# Altium PCB mxiot.PcbDoc (part 1 of 3)
Units mil, origin at the board's own origin, x right, y up, seen from the top; angles counter-clockwise.
Board outline 2300 x 800 mil, 6 copper layers (L1, L2, L3, L4, L5, L6), stack 41.854 mil thick; 97 components, 151 nets, 730 pads, 449 vias.
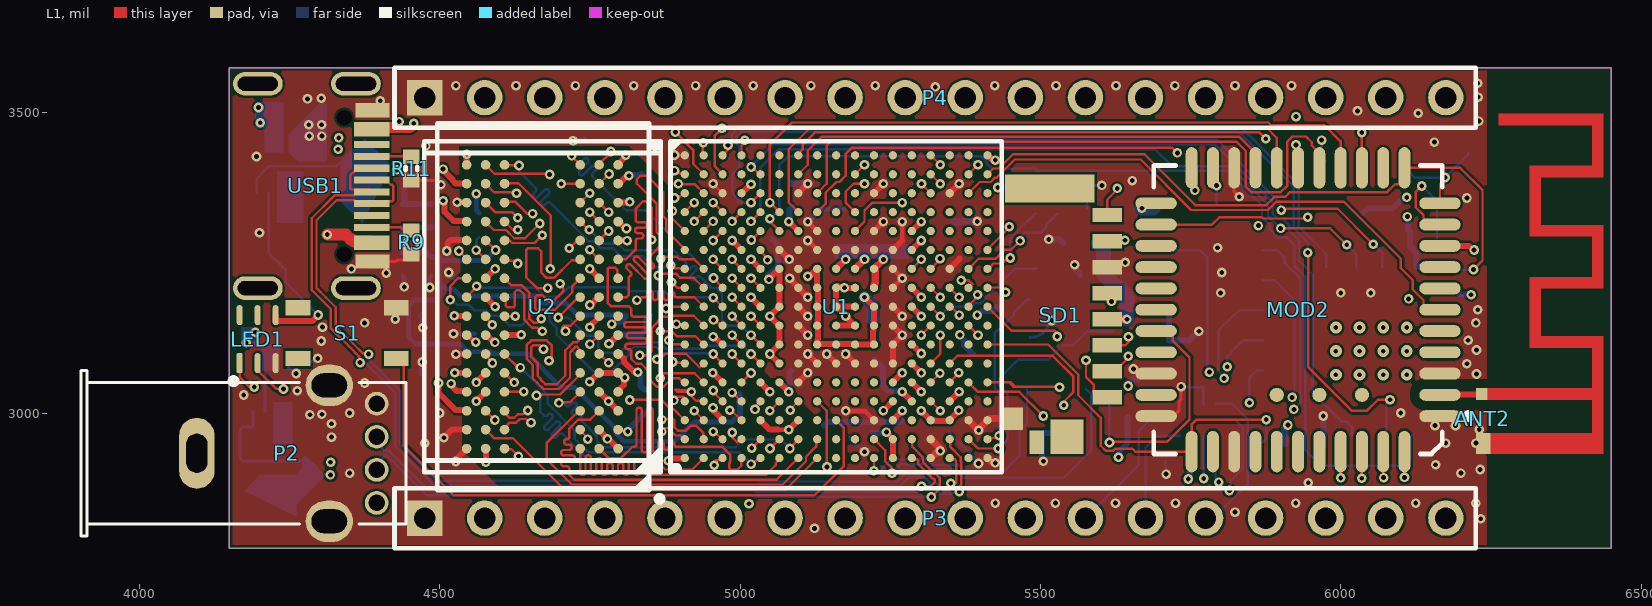
[diagram p0: L1 view]
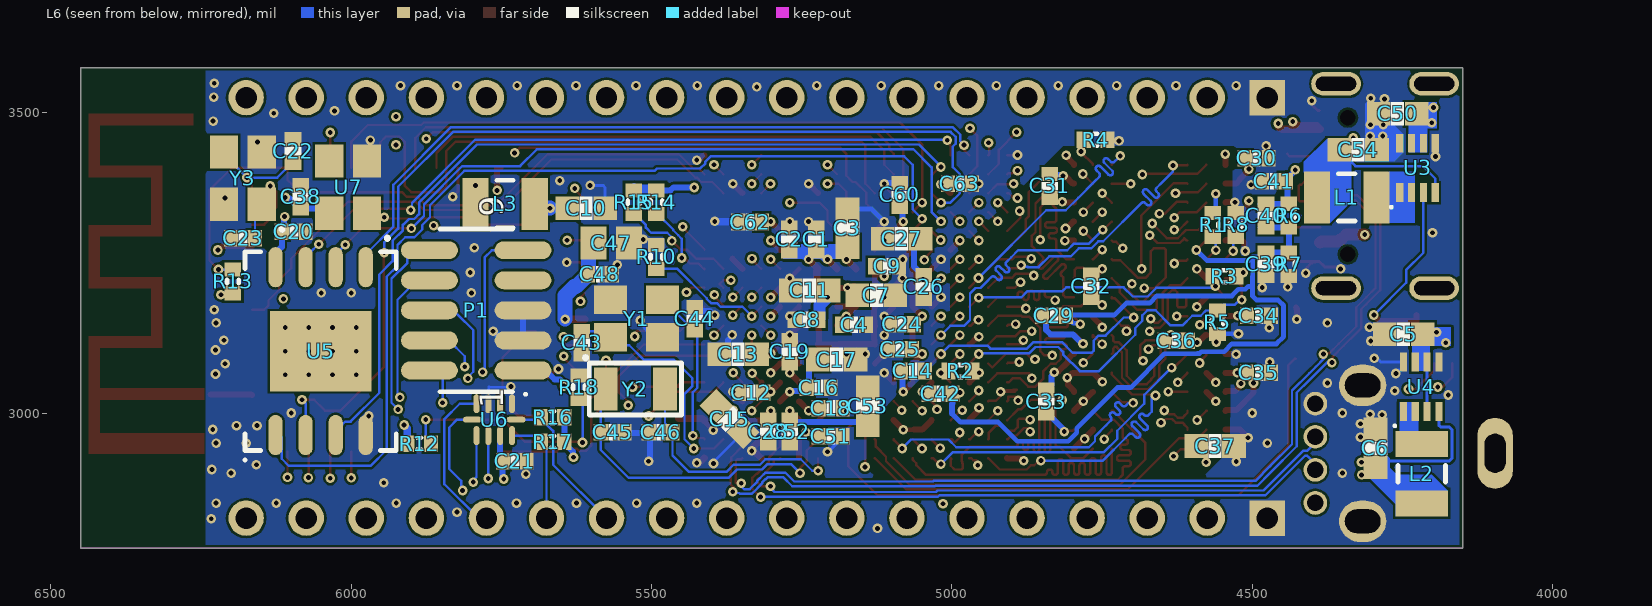
[diagram p1: L6 view, seen from below]
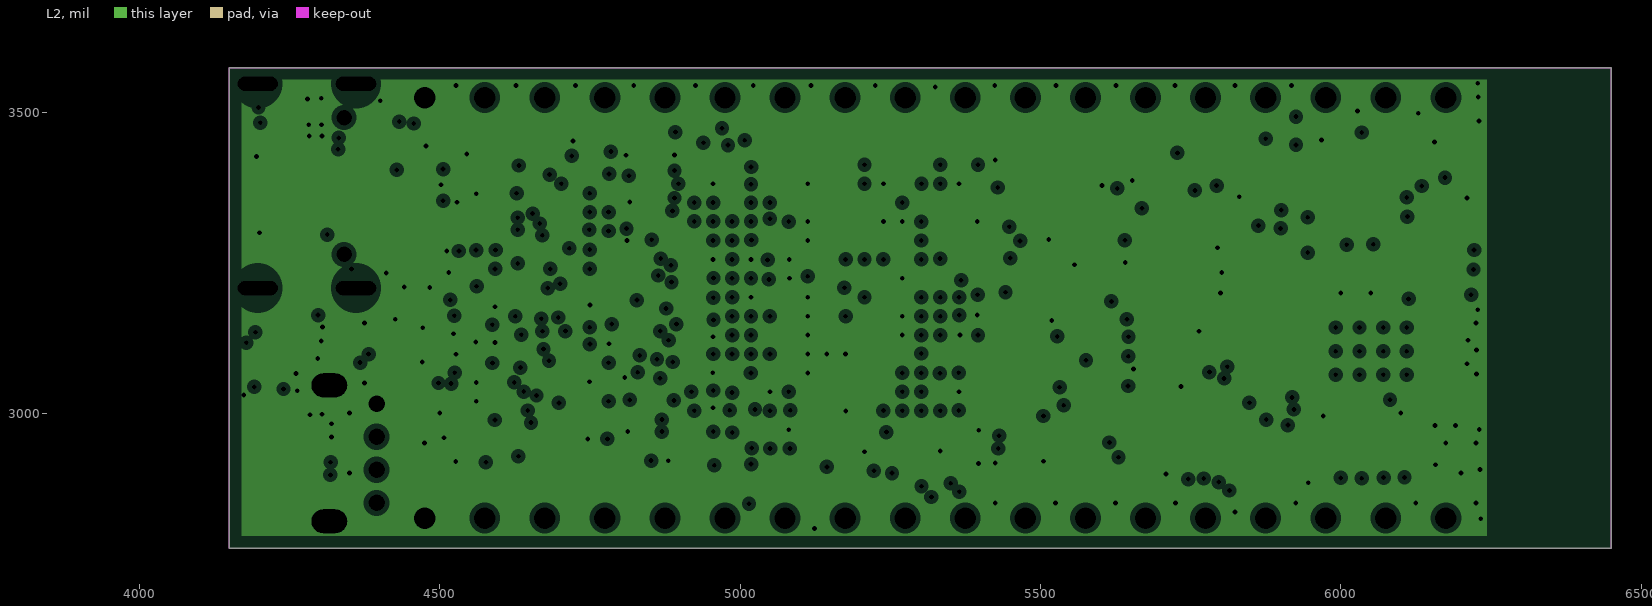
[diagram p2: L2, clearances drawn from the general rule]
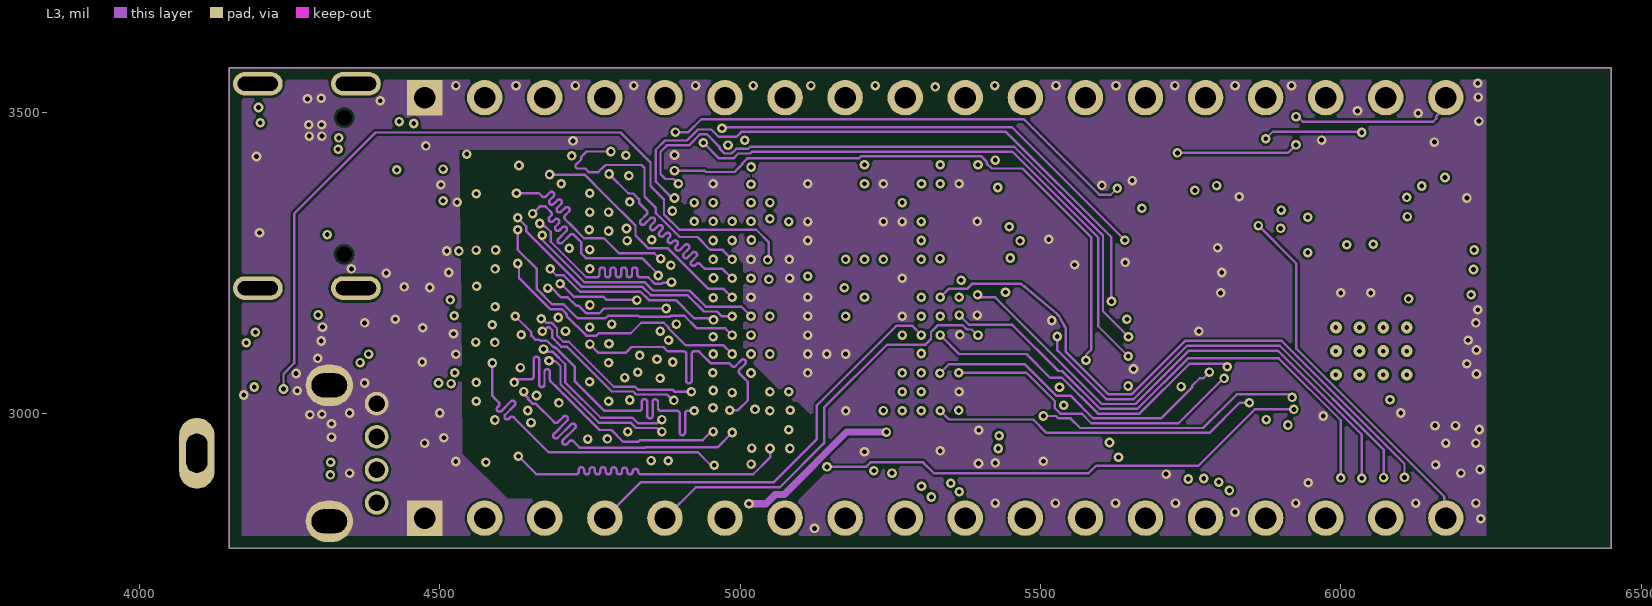
[diagram p3: L3]
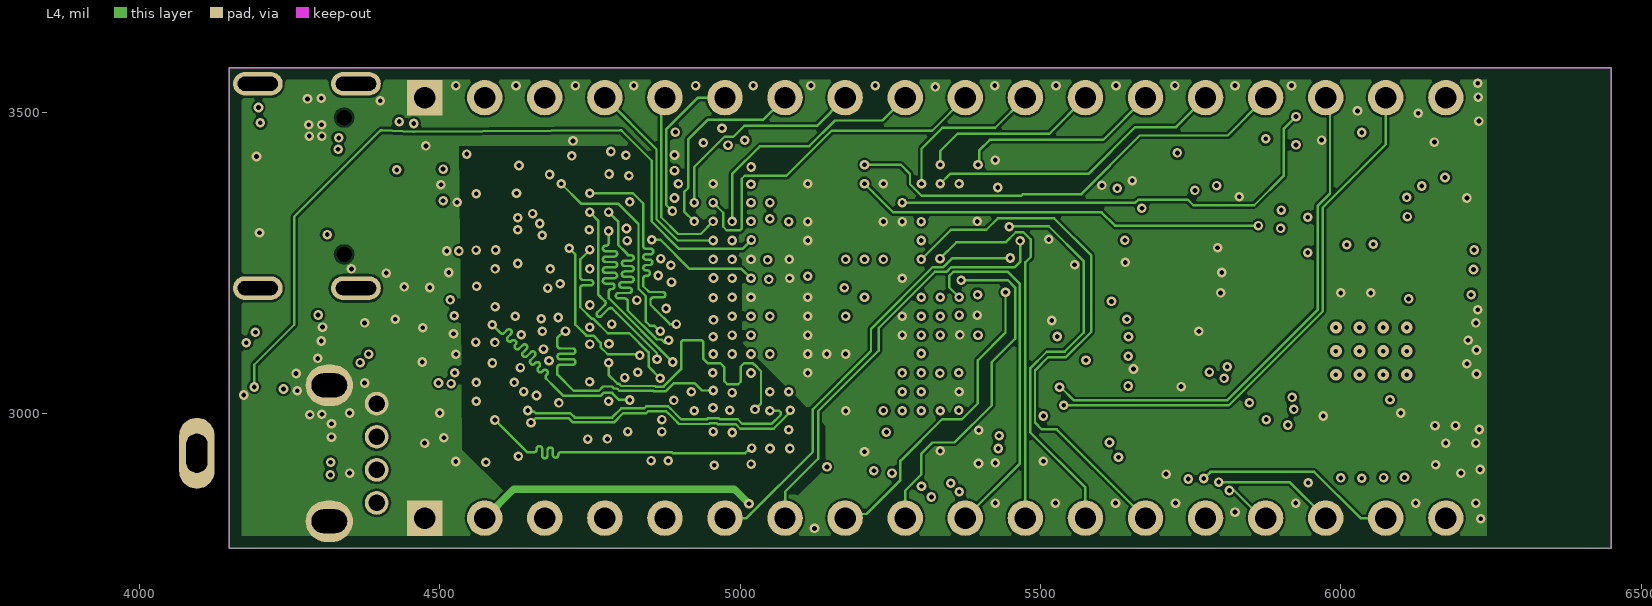
[diagram p4: L4]
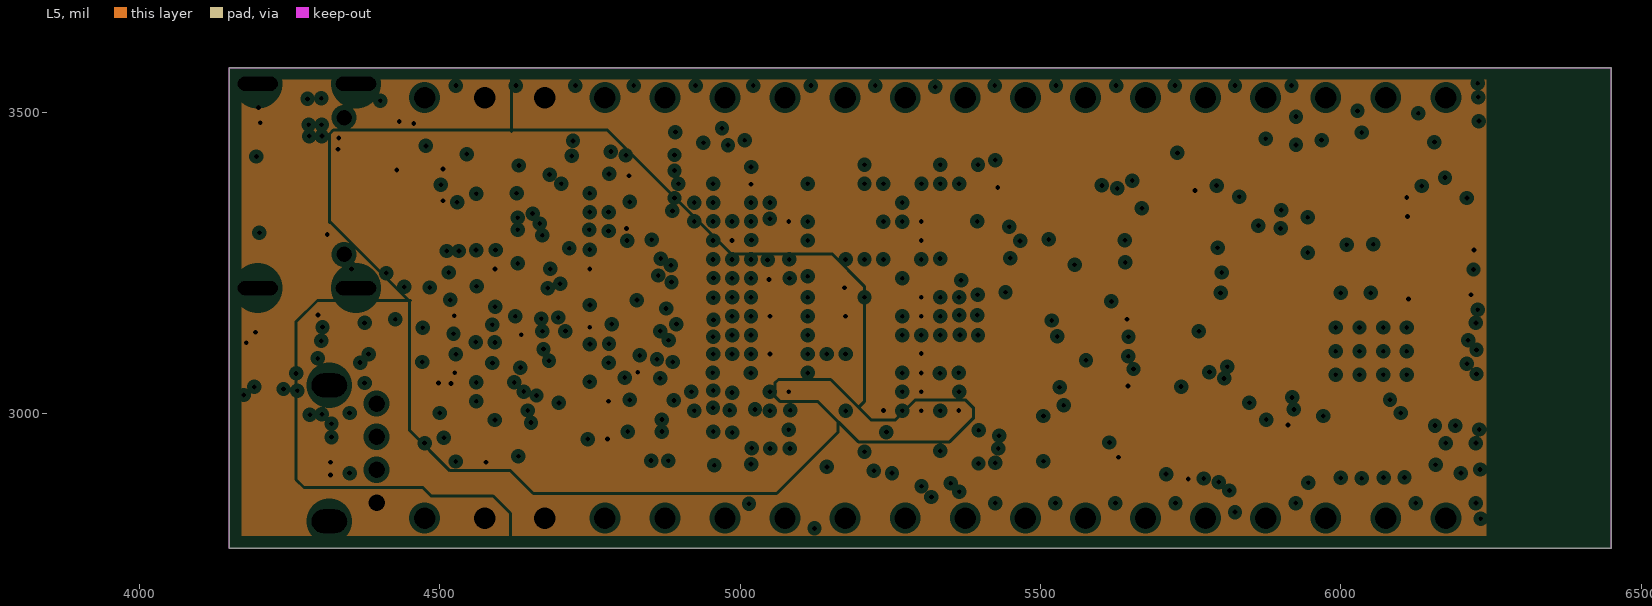
[diagram p5: L5, clearances drawn from the general rule]

## Layer stack, top to bottom
Top Solder: solder mask 0.4, Solder Resist, Dk 3.5
L1: signal copper 0.689
Dielectric 2: prepreg 4.36, FR408HR, Dk 3.23
L2: plane copper 0.689, net GND
Dielectric 4: core 4, FR408HR, Dk 3.66
L3: signal copper 0.689
Dielectric 1: core 21, FR408HR, Dk 3.79
L4: signal copper 0.689
Dielectric 5: core 4, FR408HR, Dk 3.66
L5: plane copper 0.689, net (Multiple Nets)
Dielectric 3: prepreg 4.36, FR408HR, Dk 3.23
L6: signal copper 0.689
Bottom Solder: solder mask 0.4, Solder Resist, Dk 3.5

## Board outline
4150,2775 6450,2775 6450,3575 4150,3575

## Design rules (kind name [scope] priority, off if disabled: settings)
BoardOutlineClearance [OnLayer('L2') OR OnLayer('L3') OR OnLayer('L4') OR OnLayer('L5')] p1: gap=20 ignorepadtopadclearanceinfootprint=FALSE except(0: Arc-SplitContinuation Track-SplitContinuation SMDPad-SplitContinuation THPad-SplitContinuation Via-SplitContinuation Fill-SplitContinuation Poly-SplitContinuation Region-SplitContinuation Text-SplitContinuation)
Clearance [All] p1: gap=4 ignorepadtopadclearanceinfootprint=FALSE
ComponentClearance [All] p1: gap=0 collisioncheckmode=3 verticalgap=0 showdistances=FALSE
DiffPairsRouting [All] p1: maxlimit=10 minlimit=4 mostfreqgap=4 toplayer_minwidth=4 toplayer_maxwidth=10 toplayer_prefwidth=4 midlayer1_minwidth=4 midlayer1_maxwidth=10 midlayer1_prefwidth=4 midlayer2_minwidth=4 midlayer2_maxwidth=10 midlayer2_prefwidth=4 bottomlayer_minwidth=4 bottomlayer_maxwidth=10 bottomlayer_prefwidth=4 maxuncoupledlength=500
MatchedLengths DRAM_BANK0 [InNetClass('DRAM_BANK0')] p1: tolerance=50 checknetsindiffpair=FALSE checkdiffpairvsdiffpair=TRUE checkxsignals=TRUE checkothers=TRUE
MatchedLengths DRAM_BANK1 [InNetClass('DRAM_BANK1')] p2: tolerance=50 checknetsindiffpair=FALSE checkdiffpairvsdiffpair=TRUE checkxsignals=TRUE checkothers=TRUE
MatchedLengths DRAM_ADDR_CTRL [InNetClass('DRAM_ADDR_CTRL')] p3: tolerance=50 checknetsindiffpair=FALSE checkdiffpairvsdiffpair=TRUE checkxsignals=TRUE checkothers=TRUE
MinimumSolderMaskSliver [All] p1: minsoldermaskwidth=0
PlaneClearance [All] p1: clearance=8
PlaneConnect [All] p1: planeconnectstyle=Direct reliefexpansion=20 reliefentries=4 reliefconductorwidth=10 reliefairgap=10
PolygonConnect [All] p1: connectstyle=Direct reliefconductorwidth=10 reliefentries=4 polygonreliefangle="90 Angle" airgapwidth=10
RoutingVias [All] p1: holewidth=8 width=16 viastyle="Through Hole" minholewidth=8 minwidth=16 maxholewidth=28 maxwidth=50
SilkToSilkClearance [All] p1: silktosilkclearance=0
SilkToSolderMaskClearance [IsPad] p1: minsilkscreentomaskgap=0 clearancetoexposedcopper=TRUE
SolderMaskExpansion [All] p1: expansion=0 istentingtop=FALSE
Width [All] p1: maxlimit=200 minlimit=4 preferedwidth=5
23 further rules are at their usual default settings.

## Classes and differential pairs
net class SDCARD: SD_CLK SD_CMD SD_DAT0 SD_DAT1 SD_DAT2 SD_DAT3
net class DRAM_BANK1: DDR_DATA8 DDR_DATA9 DDR_DATA10 DDR_DATA11 DDR_DATA12 DDR_DATA13 DDR_DATA14 DDR_DATA15 DDR_DQM1 DDR_SDQS1_n DDR_SDQS1_p
net class DRAM_BANK0: DDR_DATA0 DDR_DATA1 DDR_DATA2 DDR_DATA3 DDR_DATA4 DDR_DATA5 DDR_DATA6 DDR_DATA7 DDR_DQM0 DDR_SDQS0_n DDR_SDQS0_p
net class DRAM_ADDR_CTRL: DDR_A0 DDR_A1 DDR_A2 DDR_A3 DDR_A4 DDR_A5 DDR_A6 DDR_A7 DDR_A8 DDR_A9 DDR_A10 DDR_A11 DDR_A12 DDR_A13 DDR_A14 DDR_A15 DDR_CAS DDR_CS0 DDR_CS1 DDR_ODT DDR_ODT1 DDR_RAS DDR_RESET DDR_SDBA0 DDR_SDBA1 DDR_SDBA2 DDR_WE
net class DIFF100: DDR_SDQS0_n DDR_SDQS0_p DDR_SDQS1_n DDR_SDQS1_p
differential pair USB: +USB_p -USB_n
differential pair USB_OTG: +USB_OTG_p -USB_OTG_n
differential pair DDR_SDQS1: +DDR_SDQS1_p -DDR_SDQS1_n
differential pair DDR_SDQS0: +DDR_SDQS0_p -DDR_SDQS0_n
differential pair DDR_CLK: +DDR_CLK_p -DDR_CLK_n

## Components (designator, comment, footprint, x,y, rotation, side; value= is the part's Value field where it differs from the comment)
ANT2 "PCB Antenna" AN043FLIPPED 6225,3400 r270 top net-tie
C1 "220n CAPC1005N" CAPC1005N 5226,3289 r270 bottom value=220n
C2 "220n CAPC1005N" CAPC1005N 5271,3289 r270 bottom value=220n
C3 "22u CAPC1608N" CAPC1608N 5174,3308 r270 bottom value=22u
C4 "220n CAPC1005N" CAPC1005N 5163,3147 r0 bottom value=220n
C5 "4u7CAPC1608N" CAPC1608N 4248,3131 r180 bottom value=4u7
C6 "4u7CAPC1608N" CAPC1608N 4295,2941 r270 bottom value=4u7
C7 "22u CAPC1608N" CAPC1608N 5126,3196 r0 bottom value=22u
C8 "220n CAPC1005N" CAPC1005N 5242,3155 r180 bottom value=220n
C9 "220n CAPC1005N" CAPC1005N 5108,3244 r0 bottom value=220n
C10 "4u7" CAPC1608N 5609,3341 r0 bottom
C11 "22u CAPC1608N" CAPC1608N 5237,3204 r180 bottom value=22u
C12 "220n CAPC1005N" CAPC1005N 5334,3034 r180 bottom value=220n
C13 "4u7CAPC1608N" CAPC1608N 5356,3098 r180 bottom value=4u7
C14 "220n CAPC1005N" CAPC1005N 5065,3070 r0 bottom value=220n
C15 "10u CAPC1608N" CAPC1608N 5370,2990 r45 bottom value=10u
C16 "220n CAPC1005N" CAPC1005N 5222,3042 r0 bottom value=220n
C17 "10u CAPC1608N" CAPC1608N 5192,3089 r0 bottom value=10u
C18 "220n CAPC1005N" CAPC1005N 5202,3008 r0 bottom value=220n
C19 "220n CAPC1005N" CAPC1005N 5270,3102 r270 bottom value=220n
C20 "220n CAPC1005N" CAPC1005N 6096,3302 r0 bottom value=220n
C21 "220n CAPC1005N" CAPC1005N 5728,2920 r0 bottom value=220n
C22 "18p" CAPC1005N 6097,3436 r270 bottom
C23 "18p" CAPC1005N 6180,3291 r180 bottom
C24 "220n CAPC1005N" CAPC1005N 5083,3148 r180 bottom value=220n
C25 "220n CAPC1005N" CAPC1005N 5086,3106 r180 bottom value=220n
C26 "220n CAPC1005N" CAPC1005N 5047,3210 r90 bottom value=220n
C27 "22u CAPC1608N" CAPC1608N 5084,3290 r180 bottom value=22u
C28 "220n CAPC1005N" CAPC1005N 5306,2969 r90 bottom value=220n
C29 "220n CAPC1005N" CAPC1005N 4830.35,3162.2 r180 bottom value=220n
C30 "220n CAPC1005N" CAPC1005N 4493,3424 r0 bottom value=220n
C31 "220n CAPC1005N" CAPC1005N 4837,3378 r90 bottom value=220n
C32 "220n CAPC1005N" CAPC1005N 4768,3211 r90 bottom value=220n
C33 "220n CAPC1005N" CAPC1005N 4843.01,3019.08 r90 bottom value=220n
C34 "220n CAPC1005N" CAPC1005N 4489,3162 r0 bottom value=220n
C35 "220n CAPC1005N" CAPC1005N 4489,3067 r0 bottom value=220n
C36 "220n CAPC1005N" CAPC1005N 4626.6,3120.62 r0 bottom value=220n
C37 "22u CAPC1608N" CAPC1608N 4562,2945 r0 bottom value=22u
C38 "100n" CAPC1005N 6084,3360 r270 bottom
C39 "220n CAPC1005N" CAPC1005N 4477.27,3247.63 r90 bottom value=220n
C40 "1u CAPC1005N" CAPC1005N 4477.27,3328.63 r90 bottom value=1u
C41 "1u CAPC1005N" CAPC1005N 4464,3386 r180 bottom value=1u
C42 "1u CAPC1005N" CAPC1005N 5019,3032 r180 bottom value=1u
C43 "18p CAPC1005N" CAPC1005N 5616,3117 r90 bottom value=18p
C44 "18p CAPC1005N" CAPC1005N 5428,3157 r270 bottom value=18p
C45 "18p CAPC1005N" CAPC1005N 5565,2968 r0 bottom value=18p
C46 "18p CAPC1005N" CAPC1005N 5485,2968 r180 bottom value=18p
C47 "47u CAPC2012L" CAPC2012L 5567,3283 r0 bottom value=47u
C48 "220n CAPC1005N" CAPC1005N 5586,3231 r0 bottom value=220n
C50 "4u7CAPC1608N" CAPC1608N 4258,3498 r180 bottom value=4u7
C51 "1u CAPC1005N" CAPC1005N 5202,2961 r0 bottom value=1u
C52 "220n CAPC1005N" CAPC1005N 5270,2969 r90 bottom value=220n
C53 "22u CAPC1608N" CAPC1608N 5140,3011 r270 bottom value=22u
C54 "4u7CAPC1608N" CAPC1608N 4324,3438 r0 bottom value=4u7
C60 "220n CAPC1005N" CAPC1005N 5087,3363 r270 bottom value=220n
C62 "220n CAPC1005N" CAPC1005N 5336,3318 r180 bottom value=220n
C63 "220n CAPC1005N" CAPC1005N 4986.77,3381.72 r0 bottom value=220n
L1 "1uH INDC2520X12N" INDC2520X12N 4343,3359 r0 bottom value=1uH
L2 "1uH INDC2520X12N" INDC2520X12N 4218,2899 r270 bottom value=1uH
L3 "Inductor" INDC2520X12N 5744,3348 r180 bottom value=3u3
LED1 "APA102C-2020" APA102-2020 4197,3123 r90 top
MOD2 "RTL8723BS" AP1212_44N 5929,3172 r180 top
P1 "MHDR2X5" MHDR2X5SMD 5767,3071 r90 bottom
P2 "0894858002" 0894858002 4395,2933 r270 top
P3 "Header 18" HDR1X18 4475,2825 r0 top
P4 "Header 18" HDR1X18 4475,3525 r0 top
R1 "240R 1% RESC1005N" RESC1005N 4566.02,3313.06 r90 bottom value="240R 1%"
R2 "240R 1% RESC1005N" RESC1005N 4986,3070 r180 bottom value="240R 1%"
R3 "10k RESC1005N" RESC1005N 4546.38,3227.7 r0 bottom value=10k
R4 "10k RESC1005N" RESC1005N 4761,3455 r0 bottom value=10k
R5 "10k RESC1005N" RESC1005N 4558,3151 r90 bottom value=10k
R6 "1k RESC1005N" RESC1005N 4439.27,3328.63 r90 bottom value=1k
R7 "1k RESC1005N" RESC1005N 4439.27,3247.63 r90 bottom value=1k
R8 "240R 1% RESC1005N" RESC1005N 4527.69,3313.06 r90 bottom value="240R 1%"
R9 "5k1 RESC1005N" RESC1005N 4453,3284 r90 top value=5k1
R10 "1k RESC1005N" RESC1005N 5492,3260 r270 bottom value=1k
R11 "5k1 RESC1005N" RESC1005N 4453,3407 r90 top value=5k1
R12 "1k RESC1005N" RESC1005N 5887,2949 r0 bottom value=1k
R13 "1k RESC1005N" RESC1005N 6197,3219 r270 bottom value=1k
R14 "1k RESC1005N" RESC1005N 5492,3351 r90 bottom value=1k
R15 "1k RESC1005N" RESC1005N 5530,3351 r90 bottom value=1k
R16 "1k RESC1005N" RESC1005N 5665,2993 r180 bottom value=1k
R17 "1k RESC1005N" RESC1005N 5665,2952 r180 bottom value=1k
R18 "7R13" RESC1005N 5621,3043 r270 bottom
S1 "TACTILE-SW-SMD-4.2X3.2X2.5" TACTILE-SW-SMD-4.2X3.2X2.5 4346,3133 r180 top
SD1 "MicroSD 47309-2851" 47309-2851 5651.59,3006.58 r270 top value=MicroSD
U1 "MCIMX6G3CVM05AA" BGA289C80P17X17_1400X1400X132 5160,3177 r0 top
U2 "DDR3 SDRAM X16" BGA96C80P9X16_COMBO 4671,3177 r180 top
U3 "MIC23150-55YMT-TR" DFN50P200X80-8N 4225,3408 r90 bottom
U4 "MIC23150-SYMT-TR" DFN50P200X80-8N 4219,3044 r90 bottom
U5 "Flash_SPI" SON127P800X80_HS-COMBO-9N 6051,3103 r90 bottom
U6 "TLA2024IRUGR" RUG_N 5762,2989 r270 bottom
U7 "DSC6083CE2A-032K768" XTAL3225-4-N 6005,3376 r90 bottom
USB1 "USB C Receptacle_2.0" TYPE-C16PIN-CONNECTOR 4279,3378 r270 top
Y1 "24M XTAL3225-4-N" XTAL3225-4-N 5525,3157 r180 bottom value=24M
Y2 "32k ABS07" ABS07 5527,3040 r0 bottom value=32k
Y3 "26M" XTAL3225-4-N 6180,3391 r90 bottom

## Footprints (in the part's own frame and the unit in brackets; to place one, negate y for a bottom-side part, rotate by r counter-clockwise, add the part's x,y. Pads: shape width x height; smd on the part's side, far side on the other; paste and mask are expansions set on the pad)
47309-2851 [mm]
  rect 0.6x1.25 smd: 1(-0.5,-1.025) 2(-1.6,-1.025) 3(-2.7,-1.025) 4(-3.8,-1.025) 5(-4.9,-1.025) 6(-6,-1.025) 7(-7.1,-1.025) 8(-8.2,-1.025)
  rect 1x0.6 smd: 9(1.4,-4)
  rect 0.95x0.85 smd: 10(0.4,-5)
  rect 1.2x3.79 smd: G1(-9.325,-3.45)
  rect 1.45x1.4 smd: G2(1.175,-2.725)
  body extent -9.75,-15.02 1.91,0.3, height 2.85
0894858002 [mm]
  round 1 hole 0.7 paste+0: 1(2.1,0) 2(0.7,0) 3(-0.7,0) 4(-2.1,0)
  oval 1.75x2 hole 1 slot 1.5 at 90 deg paste+0: MH1(-2.875,-2) MH2(2.875,-2)
  oval 3x1.5 hole 0.9 slot 1.65 at 0 deg paste+0: MH3(0,-7.6)
  silkscreen extent -3.5,-12.5 3.5,1.25, body extent -3.55,-12.5 3.55,1.2, height 14.5
ABS07 [mm]
  rect 1x1.8 smd: 1(-1.25,0) 2(1.25,0)
  silkscreen extent -1.95,-1.1 1.95,1.1, body extent -1.61,-0.76 1.61,0.76, height 0.91
AN043FLIPPED [mm] "2.4 GHz meandered inverted F antenna"
  rect 0.5x0.5 smd paste+0 mask+0.102: 1(9.35,0.25)
  rect 0.9x0.61 smd mask+0.102: 2(11.45,0.31)
  L1 region: 11.9,5.4 6.9,5.4 6.9,4.9 11.9,4.9
  L1 region: 0.2,5.4 -2.5,5.4 -2.5,4.9 0.2,4.9
  L1 region: 0.2,4.9 -0.3,4.9 -0.3,2.26 0.2,2.26
  L1 region: -2,4.9 -2.5,4.9 -2.5,0.96 -2,0.96
  L1 region: 4.9,5.4 2.2,5.4 2.2,4.9 4.9,4.9
  L1 region: 2.2,2.76 0.2,2.76 0.2,2.26 2.2,2.26
  L1 region: 6.9,2.76 4.9,2.76 4.9,2.26 6.9,2.26
  L1 region: 11.9,4.9 11,4.9 11,0.5 11.9,0.5
  L1 region: 9.6,4.9 9.1,4.9 9.1,0.5 9.6,0.5
  L1 region: 7.4,4.9 6.9,4.9 6.9,2.26 7.4,2.26
  L1 region: 4.9,4.9 4.4,4.9 4.4,2.26 4.9,2.26
  L1 region: 2.7,4.9 2.2,4.9 2.2,2.26 2.7,2.26
AP1212_44N [mm]
  oval 1.75x0.5 smd: 1(-6,4.5) 2(-6,3.6) 3(-6,2.7) 4(-6,1.8) 5(-6,0.9) 6(-6,0) 7(-6,-0.9) 8(-6,-1.8) 9(-6,-2.7) 10(-6,-3.6) 11(-6,-4.5) 23(6,-4.5) 24(6,-3.6) 25(6,-2.7) 26(6,-1.8) 27(6,-0.9) 28(6,0) 29(6,0.9) 30(6,1.8) 31(6,2.7) 32(6,3.6) 33(6,4.5)
  oval 0.5x1.75 smd: 12(-4.5,-6) 13(-3.6,-6) 14(-2.7,-6) 15(-1.8,-6) 16(-0.9,-6) 17(0,-6) 18(0.9,-6) 19(1.8,-6) 20(2.7,-6) 21(3.6,-6) 22(4.5,-6) 34(4.5,6) 35(3.6,6) 36(2.7,6) 37(1.8,6) 38(0.9,6) 39(0,6) 40(-0.9,6) 41(-1.8,6) 42(-2.7,6) 43(-3.6,6) 44(-4.5,6)
  round 0.6 smd paste+0: 45(-2.7,3.6) 46(-0.9,3.6) 47(0.9,3.6)
  silkscreen extent -7.33,-6.1 6.1,6.1, body extent -6,-6 6,6, height 1.5
APA102-2020 [mil] "DOTSTAR SPI RGB LED"
  rrect50% 33.46x10 smd: 1(-40,30)
  oval 33.46x10 smd: 2(-40,0) 3(-40,-30) 4(40,-30) 5(40,0) 6(40,30)
  silkscreen extent -75,35 -65,45, body extent -39,-39 39,39, height 35
BGA96C80P9X16_COMBO [mm] "BGA, 96-Leads, Body 9.00x15.00mmx1.20mm, Pitch 0.80mm"
  round 0.41 smd: A1(-3.2,6) A2(-2.4,6) A3(-1.6,6) A7(1.6,6) A8(2.4,6) A9(3.2,6) B1(-3.2,5.2) B2(-2.4,5.2) B3(-1.6,5.2) B7(1.6,5.2) B8(2.4,5.2) B9(3.2,5.2) C1(-3.2,4.4) C2(-2.4,4.4) C3(-1.6,4.4) C7(1.6,4.4) C8(2.4,4.4) C9(3.2,4.4) D1(-3.2,3.6) D2(-2.4,3.6) D3(-1.6,3.6) D7(1.6,3.6) D8(2.4,3.6) D9(3.2,3.6) E1(-3.2,2.8) E2(-2.4,2.8) E3(-1.6,2.8) E7(1.6,2.8) E8(2.4,2.8) E9(3.2,2.8) F1(-3.2,2) F2(-2.4,2) F3(-1.6,2) F7(1.6,2) F8(2.4,2) F9(3.2,2) G1(-3.2,1.2) G2(-2.4,1.2) G3(-1.6,1.2) G7(1.6,1.2) G8(2.4,1.2) G9(3.2,1.2) H1(-3.2,0.4) H2(-2.4,0.4) H3(-1.6,0.4) H7(1.6,0.4) H8(2.4,0.4) H9(3.2,0.4) J1(-3.2,-0.4) J2(-2.4,-0.4) J3(-1.6,-0.4) J7(1.6,-0.4) J8(2.4,-0.4) J9(3.2,-0.4) K1(-3.2,-1.2) K2(-2.4,-1.2) K3(-1.6,-1.2) K7(1.6,-1.2) K8(2.4,-1.2) K9(3.2,-1.2) L1(-3.2,-2) L2(-2.4,-2) L3(-1.6,-2) L7(1.6,-2) L8(2.4,-2) L9(3.2,-2) M1(-3.2,-2.8) M2(-2.4,-2.8) M3(-1.6,-2.8) M7(1.6,-2.8) M8(2.4,-2.8) M9(3.2,-2.8) N1(-3.2,-3.6) N2(-2.4,-3.6) N3(-1.6,-3.6) N7(1.6,-3.6) N8(2.4,-3.6) N9(3.2,-3.6) P1(-3.2,-4.4) P2(-2.4,-4.4) P3(-1.6,-4.4) P7(1.6,-4.4) P8(2.4,-4.4) P9(3.2,-4.4) R1(-3.2,-5.2) R2(-2.4,-5.2) R3(-1.6,-5.2) R7(1.6,-5.2) R8(2.4,-5.2) R9(3.2,-5.2) T1(-3.2,-6) T2(-2.4,-6) T3(-1.6,-6) T7(1.6,-6) T8(2.4,-6) T9(3.2,-6)